# Altium PCB 243-436_Man-Ctrl-ESP32.PcbDoc
Units mm, origin at the board's own origin, x right, y up, seen from the top; angles counter-clockwise.
Board outline 20 x 33 mm, 4 copper layers (Top Layer, Int1 (GND), Int2 (GND), Bottom Layer), stack 1.369 mm thick; 44 components, 39 nets, 171 pads, 80 vias.
Unrouted connection lines stored in the file: 3.
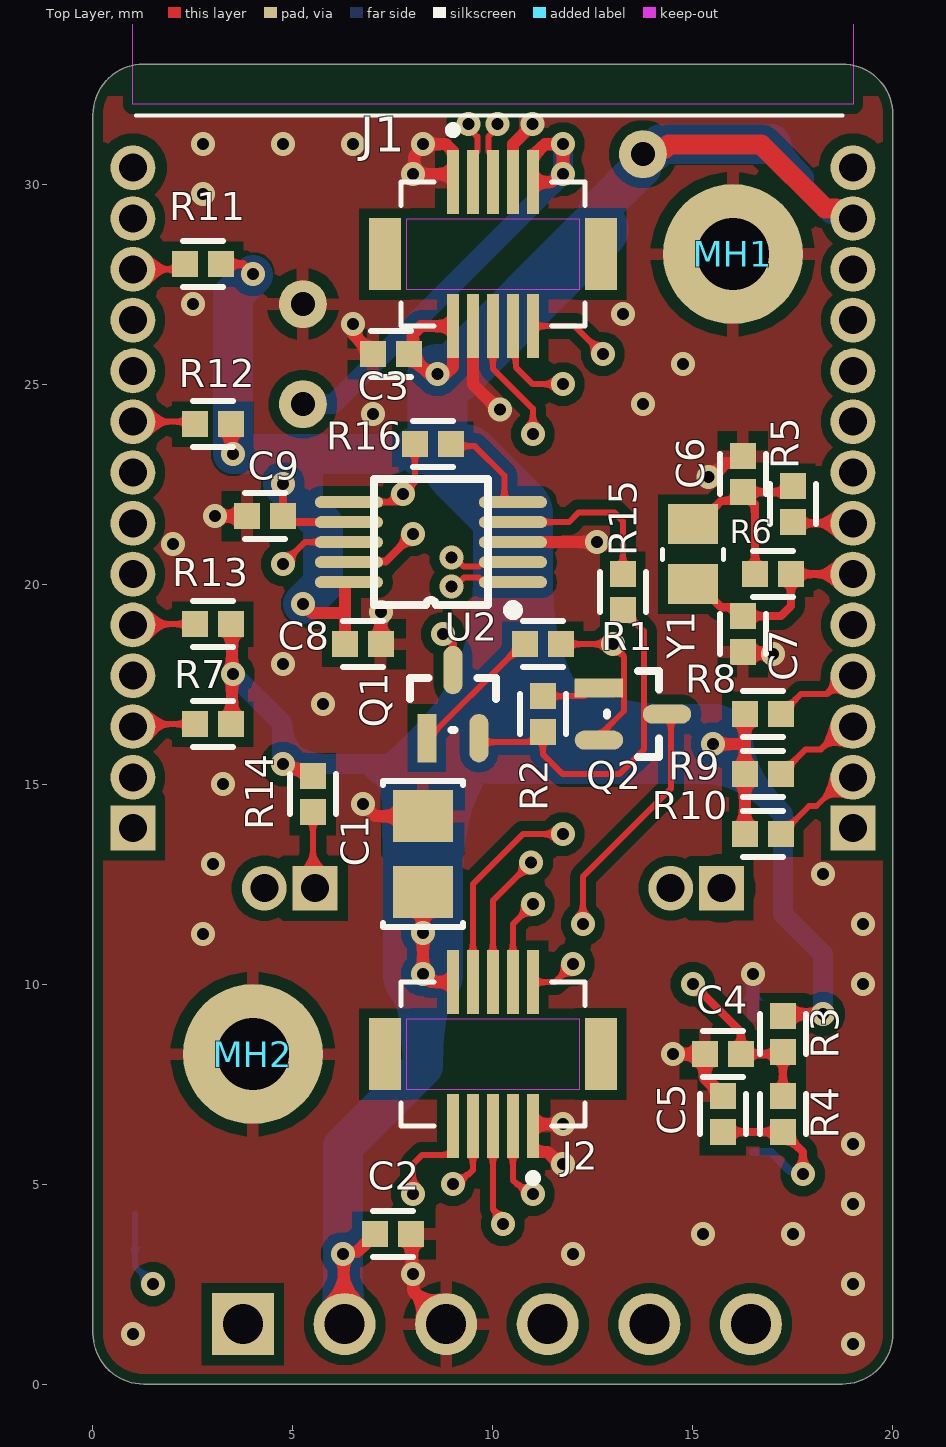
[diagram p0: Top Layer view]
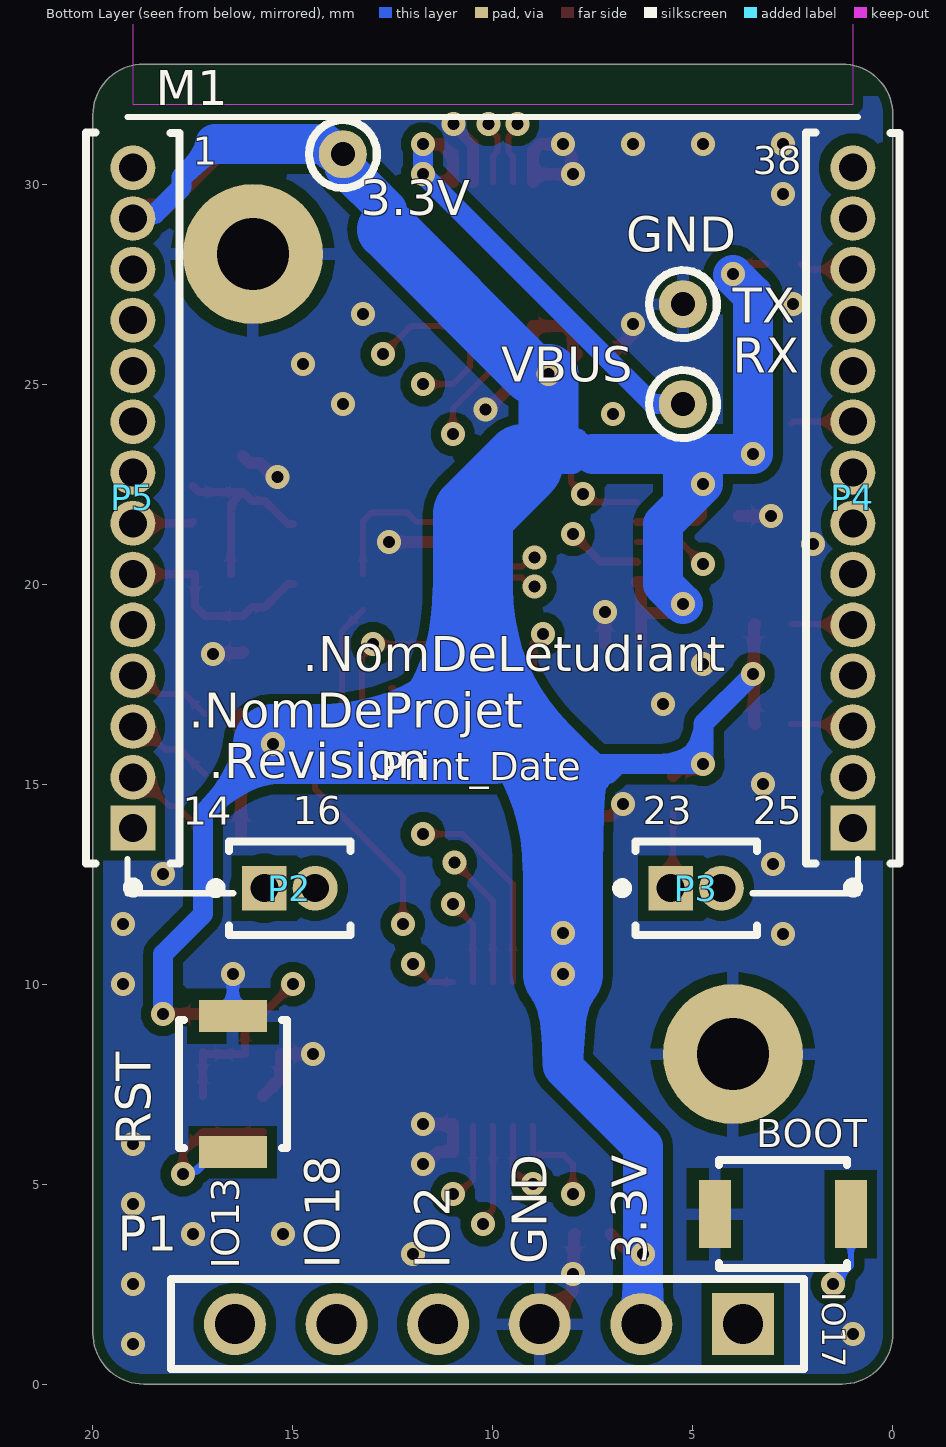
[diagram p1: Bottom Layer view, seen from below]
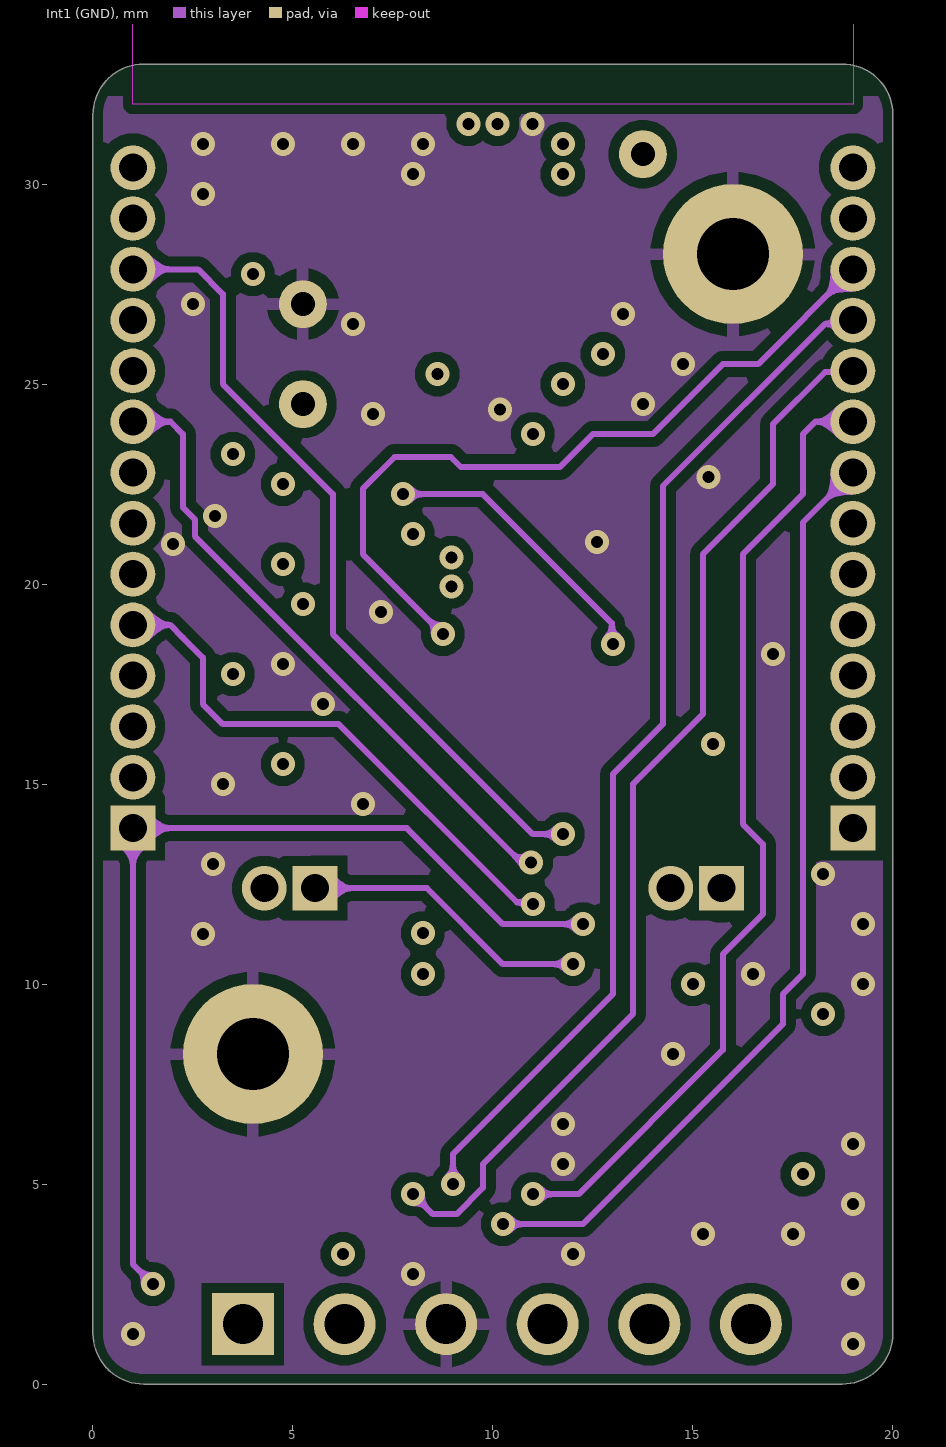
[diagram p2: Int1 (GND)]
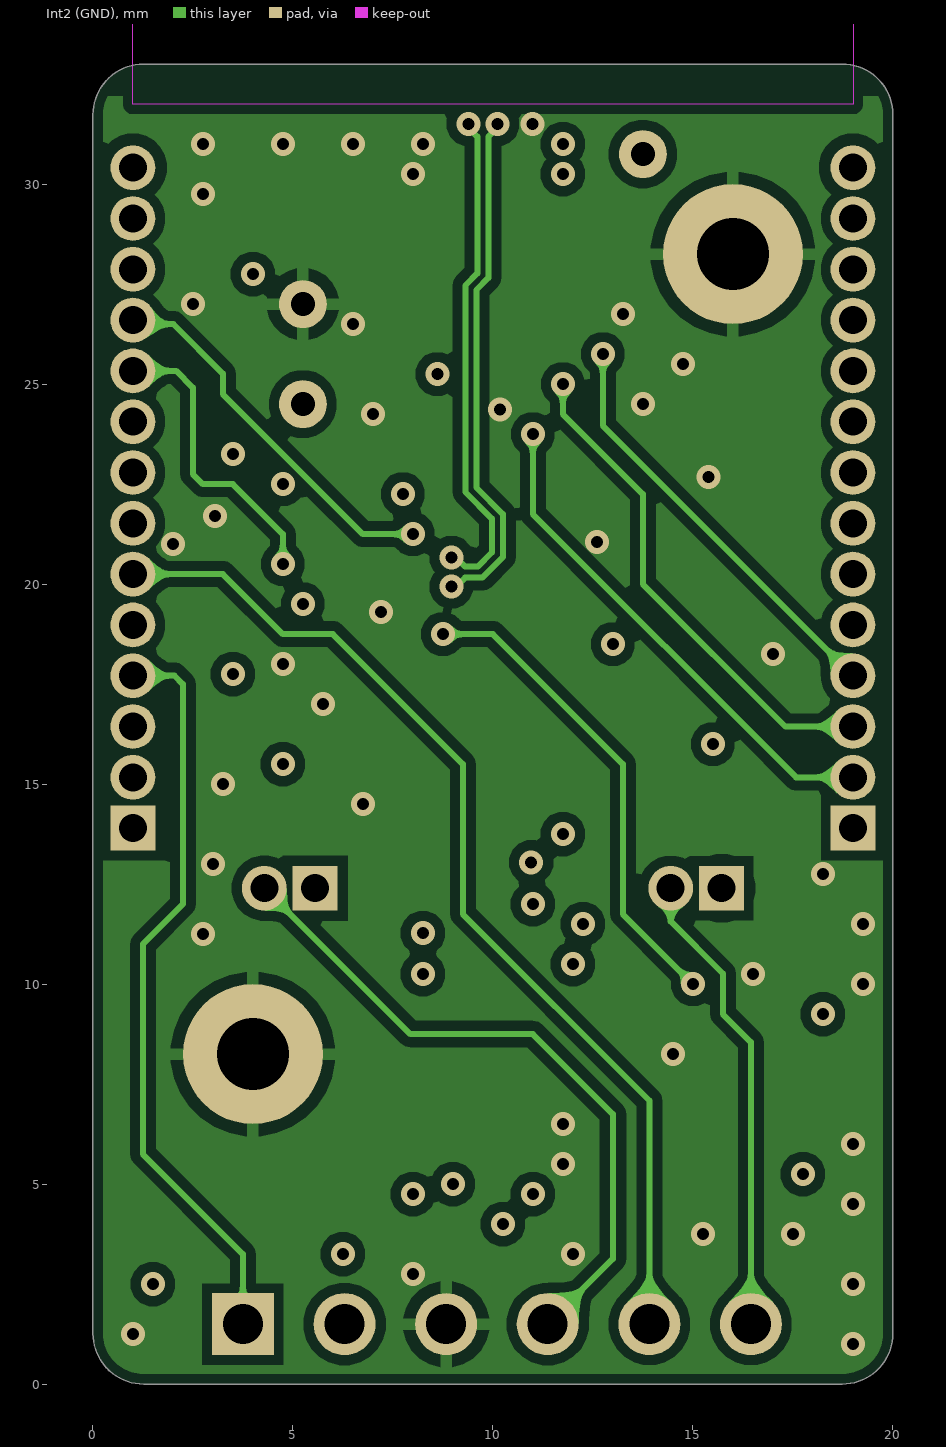
[diagram p3: Int2 (GND)]

## Layer stack, top to bottom
Top Solder: solder mask 0.0254, SM-001, Dk 4
Top Layer: signal copper 0.035
Dielectric 1: prepreg 0.1295, PP-017, Dk 4.3
Dielectric 2: prepreg 0.1295, PP-017, Dk 4.3
Int1 (GND): signal copper 0.035
Dielectric 3: core 0.7112, Core-039, Dk 4.8
Int2 (GND): signal copper 0.035
Dielectric 4: prepreg 0.1295, PP-017, Dk 4.3
Dielectric 5: prepreg 0.1295, PP-017, Dk 4.3
Bottom Layer: signal copper 0.035
Bottom Solder: solder mask 0.0254, SM-001, Dk 4

## Board outline
0,1.27 ccw(c1.27,1.27) 1.27,0 18.73,0 ccw(c18.73,1.27) 20,1.27 20,31.73 ccw(c18.73,31.73) 18.73,33 1.27,33 ccw(c1.27,31.73) 0,31.73

## Design rules (kind name [scope] priority, off if disabled: settings)
BoardOutlineClearance [All] p1: gap=0.25 ignorepadtopadclearanceinfootprint=FALSE
Clearance Clearance_poly [InPoly] p1: gap=0.25 ignorepadtopadclearanceinfootprint=FALSE
Clearance [All] p2: gap=0.125 ignorepadtopadclearanceinfootprint=FALSE
ComponentClearance [All] p1: gap=0.1 collisioncheckmode=3 verticalgap=0.254 showdistances=FALSE
DiffPairsRouting [All] p1: maxlimit=0.2 minlimit=0.125 mostfreqgap=0.125 toplayer_minwidth=0.125 toplayer_maxwidth=0.15 toplayer_prefwidth=0.125 midlayer1_minwidth=0.125 midlayer1_maxwidth=0.15 midlayer1_prefwidth=0.125 midlayer2_minwidth=0.125 midlayer2_maxwidth=0.15 midlayer2_prefwidth=0.125 bottomlayer_minwidth=0.125 bottomlayer_maxwidth=0.15 bottomlayer_prefwidth=0.125 maxuncoupledlength=15
HoleSize [All] p1: absolutevalues=TRUE maxlimit=6.3 minlimit=0.2 maxpercent=80.000 minpercent=20.000
HoleToHoleClearance HoleToHoleClearance_via [IsVia] p1: gap=0.2 allowstackedmicrovias=TRUE
HoleToHoleClearance [All] p2: gap=0.45 allowstackedmicrovias=TRUE
MinimumSolderMaskSliver [All] p1: minsoldermaskwidth=0.1
PlaneClearance [All] p1: clearance=0.5
PlaneConnect [All] p1: pad.planeconnectstyle=Relief pad.reliefexpansion=0.508 pad.reliefentries=4 pad.reliefconductorwidth=0.254 pad.reliefairgap=0.254 via.planeconnectstyle=Direct via.reliefexpansion=0.508 via.reliefentries=4 via.reliefconductorwidth=0.254 via.reliefairgap=0.254
PolygonConnect [All] p1: thpad.connectstyle=Relief thpad.reliefconductorwidth=0.3 thpad.reliefentries=4 thpad.polygonreliefangle="90 Angle" thpad.airgapwidth=0.3 smdpad.connectstyle=Relief smdpad.reliefconductorwidth=0.3 smdpad.reliefentries=4 smdpad.polygonreliefangle="90 Angle" smdpad.airgapwidth=0.3 via.connectstyle=Direct via.reliefconductorwidth=0.254 via.reliefentries=4 via.polygonreliefangle="90 Angle" via.airgapwidth=0.254
RoutingVias [All] p1: holewidth=0.3 width=0.6 viastyle="Through Hole" minholewidth=0.2 minwidth=0.4 maxholewidth=0.8 maxwidth=1.2
SilkToSilkClearance [All] p1: silktosilkclearance=0
SilkToSolderMaskClearance [IsPad] p1: minsilkscreentomaskgap=0 clearancetoexposedcopper=TRUE
SolderMaskExpansion [All] p1: expansion=0.045 istentingtop=FALSE
SupplyNets "Schematic Supply Nets_2" [InNet('V_3V3')] p1: voltage=0.000
SupplyNets "Schematic Supply Nets_4" [InNet('VBUS')] p2: voltage=0.000
SupplyNets "Schematic Supply Nets_1" [InNet('GND')] p3: voltage=0.000
Width [All] p1: maxlimit=5 minlimit=0.125 preferedwidth=0.2
21 further rules are at their usual default settings.

## Classes and differential pairs
component class 243-436_Manette-ESP32: P1 P2 P3 P4 P5 Q1 Q2 R1 R2
component class USB-to-UART: C8 C9 R15 R16 U2
component class Controleur: BOOT C2 C3 C4 C5 C6 C7 M1 R3 R4 R5 R6 R7 RST Y1
component class Interface-Capteurs: 3.3V C1 GND J1 J2 MH1 MH2 R8 R9 R10 R11 R12 R13 R14 VBUS
differential pair UD: +UD_P -UD_N

## Components (designator, comment, footprint, x,y, rotation, side; value= is the part's Value field where it differs from the comment)
3.3V "DNP" TP_TH061 13.75,30.75 r180 bottom
BOOT "HX-B3U-1000P-1.6N" S_B3U-1000P 2.75,4.25 r180 bottom
C1 "CAP CER 10uF 25V X5R 0805" C_2012[0805] 8.25,13.25 r270 top value=10uF
C2 "CAP CER 4.7uF 6.3V X5R 0402" C_1005[0402] 7.5,3.75 r180 top value=4.7uF
C3 "CAP CER 100nF 50V 0402" C_1005[0402] 7.45,25.75 r0 top value=100nF
C4 "DNP" C_1005[0402] 15.75,8.25 r0 top value=100nF
C5 "CAP CER 100nF 50V 0402" C_1005[0402] 15.75,6.75 r270 top value=100nF
C6 "DNP" C_1005[0402] 16.25,22.75 r270 top value=10pF
C7 "DNP" C_1005[0402] 16.25,18.75 r90 top value=10pF
C8 "CAP CER 100nF 50V 0402" C_1005[0402] 6.75,18.5 r180 top value=100nF
C9 "CAP CER 100nF 50V 0402" C_1005[0402] 4.3,21.7 r0 top value=100nF
GND "DNP" TP_TH061 5.25,27 r90 bottom
J1 "HC-PBB12NB(3.0)-10DS-0.5V-03" J_CONN_HDR_2ROW_10POS_0MM5 10,28.25 r180 top locked value=Conn_02x05
J2 "HC-PBB12NB(3.0)-10DS-0.5V-03" J_CONN_HDR_2ROW_10POS_0MM5 10,8.25 r0 top locked value=Conn_02x05
M1 "ESP32-WROOM-32E-N4" ESP32­WROOM­32E_EXP-TH 10,25.15 r180 bottom locked
MH1 "MP_1.6MM" MP_M-Hole_M1.6 16,28.25 r0 top locked
MH2 "MP_1.6MM" MP_M-Hole_M1.6 4,8.25 r0 top locked
P1 "DNP" P_CONN_HDR_1ROW_6POS_100MIL 10.1,1.5 r0 bottom locked
P2 "P_CONN-SKT-2POS-50MIL" P_CONN_SKT_1ROW_2POS_50MIL 15.08,12.399 r180 bottom
P3 "P_CONN-SKT-2POS-50MIL" P_CONN_SKT_1ROW_2POS_50MIL 4.92,12.399 r180 bottom
P4 "P_CONN-SKT-14POS-50MIL" P_CONN_SKT_1ROW_14POS_50MIL 0.999,22.155 r90 bottom
P5 "P_CONN-SKT-14POS-50MIL" P_CONN_SKT_1ROW_14POS_50MIL 19,22.155 r90 bottom
Q1 "BC847BW-7-F" SOT323-IPC_B 9,17 r90 top
Q2 "BC847BW-7-F" SOT323-IPC_B 13.5,16.75 r0 top
R1 "Res 10k 1% 0402" R_1005[0402] 11.25,18.5 r180 top value=10k
R2 "Res 10k 1% 0402" R_1005[0402] 11.25,16.75 r90 top value=10k
R3 "DNP" R_1005[0402] 17.25,8.75 r90 top value=10k
R4 "Res 0R 0402" R_1005[0402] 17.25,6.75 r90 top value=0R
R5 "DNP" R_1005[0402] 17.5,22 r270 top value=0R
R6 "DNP" R_1005[0402] 17,20.25 r0 top value=5M6
R7 "Res 10k 1% 0402" R_1005[0402] 3,16.5 r0 top value=10k
R8 "Res 10k 1% 0402" R_1005[0402] 16.75,16.75 r180 top value=10k
R9 "Res 10k 1% 0402" R_1005[0402] 16.75,15.251 r180 top value=10k
R10 "Res 10k 1% 0402" R_1005[0402] 16.75,13.75 r180 top value=10k
R11 "Res 4k7 1% 0402" R_1005[0402] 2.75,28 r0 top value=4k7
R12 "Res 4k7 1% 0402" R_1005[0402] 3,24 r0 top value=4k7
R13 "Res 10k 1% 0402" R_1005[0402] 3,19 r0 top value=10k
R14 "Res 10k 1% 0402" R_1005[0402] 5.5,14.75 r90 top value=10k
R15 "Res 1k 1% 0402" R_1005[0402] 13.25,19.8 r90 top value=1k
R16 "Res 4k7 1% 0402" R_1005[0402] 8.5,23.5 r180 top value=4k7
RST "HX-B3U-1000P-1.6N" S_B3U-1000P 16.5,7.5 r270 bottom
U2 "CH340X" U_MSOP50P300X500-10(RM-10)_WO-TP 8.45,21.05 r90 top
VBUS "DNP" TP_TH061 5.25,24.5 r90 bottom
Y1 "DNP" Y_2012_2P 15,21.5 r270 top value=32.768kHz

## Footprints (in the part's own frame and the unit in brackets; to place one, negate y for a bottom-side part, rotate by r counter-clockwise, add the part's x,y. Pads: shape width x height; smd on the part's side, far side on the other; paste and mask are expansions set on the pad)
C_1005[0402] [mm] "Capacitor MLCC; Body 1.1 x 0.5 mm (LxW typ)"
  rect 0.65x0.65 smd: 1(-0.45,0) 2(0.45,0)
  silkscreen extent -0.5,-0.57 0.5,0.57, body extent -0.51,-0.25 0.51,0.25, height 0.51
C_2012[0805] [mm] "Capacitor MLCC; Body 2.0 x 1.3 mm (LxW typ)"
  rect 1.3x1.5 smd: 1(-0.95,0) 2(0.95,0)
  silkscreen extent -1.83,-1 1.83,1, body extent -1,-0.62 1,0.63, height 0.78
ESP32­WROOM­32E_EXP-TH [mm]
  round 1.12 hole 0.7 paste-2539.97 mask+0: 1(-9,5.26) 2(-9,3.99) 3(-9,2.72) 4(-9,1.45) 5(-9,0.18) 6(-9,-1.09) 7(-9,-2.36) 8(-9,-3.63) 9(-9,-4.9) 10(-9,-6.17) 11(-9,-7.44) 12(-9,-8.71) 13(-9,-9.98) 14(-9,-11.25) 15(-5.715,-12.751) 16(-4.445,-12.751) 23(4.445,-12.751) 24(5.715,-12.751) 25(9,-11.25) 26(9,-9.98) 27(9,-8.71) 28(9,-7.44) 29(9,-6.17) 30(9,-4.9) 31(9,-3.63) 32(9,-2.36) 33(9,-1.09) 34(9,0.18) 35(9,1.45) 36(9,2.72) 37(9,3.99) 38(9,5.26)
  Keep-Out Layer region: 9.004,6.85 9.004,12.751 -9.004,12.751 -9.004,6.85
  silkscreen extent -9.13,-12.88 9.13,6.53, body extent -10.07,-12.75 10.07,12.77, height 10.15
J_CONN_HDR_2ROW_10POS_0MM5 [mm] "CONN HIROSE DF12NB"
  rect 0.8x1.8 smd: 0(-2.7,0) 0(2.7,0)
  rect 0.3x1.6 smd paste-2 mask+0.05: 1(1,-1.8) 2(1,1.8) 3(0.5,-1.8) 4(0.5,1.8) 5(0,-1.8) 6(0,1.8) 7(-0.5,-1.8) 8(-0.5,1.8) 9(-1,-1.8) 10(-1,1.8)
  Top Layer keep-out region: 2.159,-0.889 -2.159,-0.889 -2.159,0.889 2.159,0.889
  silkscreen extent -2.3,-3.2 2.3,1.8, body extent -2.8,-2.29 2.8,2.31, height 2.2
MP_M-Hole_M1.6 [mm] "Monting Hole M1.6"
  round 3.5 hole 1.8 paste-2539.97: 1(0,0)
P_CONN_HDR_1ROW_6POS_100MIL [mm] "Header, 1x6 Pins, 2.54mm Pitch"
  rect 1.55x1.55 hole 1: 1(-6.35,0)
  round 1.55 hole 1: 2(-3.81,0) 3(-1.27,0) 4(1.27,0) 5(3.81,0) 6(6.35,0)
  silkscreen extent -7.87,-1.12 7.95,1.12
P_CONN_SKT_1ROW_2POS_50MIL [mm]
  rect 1.12x1.12 hole 0.7 paste-2539.97 mask+0: 1(-0.635,0)
  round 1.12 hole 0.7 paste-2539.97 mask+0: 2(0.635,0)
  silkscreen extent -1.97,-1.17 1.52,1.17, body extent -1.38,-1.27 1.38,1.27, height 4.57
P_CONN_SKT_1ROW_14POS_50MIL [mm]
  rect 1.12x1.12 hole 0.7 paste-2539.97 mask+0: 1(-8.255,0)
  round 1.12 hole 0.7 paste-2539.97 mask+0: 2(-6.985,0) 3(-5.715,0) 4(-4.445,0) 5(-3.175,0) 6(-1.905,0) 7(-0.635,0) 8(0.635,0) 9(1.905,0) 10(3.175,0) 11(4.445,0) 12(5.715,0) 13(6.985,0) 14(8.255,0)
  silkscreen extent -9.86,-1.17 9.14,1.17, body extent -9,-1.27 9,1.27, height 4.57
R_1005[0402] [mm] "Chip Resistor; Body 1.1 x 0.5 mm (LxW typ)"
  rect 0.65x0.65 smd: 1(-0.45,0) 2(0.45,0)
  silkscreen extent -0.5,-0.57 0.5,0.58, body extent -0.5,-0.25 0.5,0.26, height 0.36
S_B3U-1000P [mm]
  rect 0.8x1.7 smd paste+0 mask+0: 1(-1.7,0) 2(1.7,0)
  silkscreen extent -1.6,-1.35 1.6,1.35, body extent -2,-1.26 2,1.24, height 1.6
SOT323-IPC_B [mil]
  rect 47.65x18.73 smd paste+0 mask+0: 1(-33.5,25.59)
  rrect100% 47.65x18.73 smd paste+0 mask+0: 2(-33.5,-25.59) 3(33.5,0)
  silkscreen extent -26,-42 26,42, body extent -67,-52 67,52, height 10
TP_TH061 [mm] "Test point hole 0.61mm diameter (AWG28)"
  round 1.2 hole 0.6: 1(0,0)
  silkscreen extent -0.85,-0.85 0.85,0.85
U_MSOP50P300X500-10(RM-10)_WO-TP [mm] "Shrink Small Outline; 10 Leads; Body Width 3 mm; Pitch 0.5 mm"
  oval 0.3x1.7 smd mask+0.05: 1(-1,-2.05) 2(-0.5,-2.05) 3(0,-2.05) 4(0.5,-2.05) 5(1,-2.05) 6(1,2.05) 7(0.5,2.05) 8(0,2.05) 9(-0.5,2.05) 10(-1,2.05)
  silkscreen extent -1.82,-2.18 1.58,1.43, body extent -1.6,-2.58 1.6,2.57, height 1.09
Y_2012_2P [mm]
  rect 1x1.25 smd: 1(0,0) 2(1.5,0)
  silkscreen extent 0.63,-0.76 0.89,0.76, body extent -0.33,-0.76 1.88,0.76, height 0.75

## Part data
3.3V GND VBUS: library part TP_TH0.61mm(AWG28), "Pad TH 0.61mm diameter (AWG28)", Supplier Part Number 1=N/A, Manufacturer Part Number 1=DNP, Supplier 1=N/A
BOOT RST: library part SW_B3U-1000P, "SWITCH TACTILE SPST-NO 0.05A 12V", Manufacturer 1=hanxia, Manufacturer 2=Omron, Manufacturer Part Number 2=B3U-1000P, Supplier Part Number 1=C49234121, Manufacturer Part Number 1=HX-B3U-1000P-1.6N, Mounting Technology=SMT, Supplier 1=LCSC
C1: library part CAP020, "Capacitor type 1", Dielectric=X5R, Manufacturer 1=Samsung, Manufacturer Part Number 1=CL21A106KAYNNNE, Rated Voltage=25V, Supplier Part Number 1=C15850, Tolerance=10%, LibRef=CAP020, Mounting Technology=SMT, Supplier 1=LCSC
C2: library part CAP016, "Capacitor type 1", Dielectric=X5R, Manufacturer 1=Samsung, Manufacturer Part Number 1=CL05A475MQ5NRNC, Rated Voltage=6.3V, Supplier Part Number 1=C307423, Tolerance=20%, LibRef=CAP016, Mounting Technology=SMT, Supplier 1=LCSC
C3 C4 C5 C8 C9: library part CAP001, "Capacitor type 1", Dielectric=X7R, Manufacturer 1=Yageo, Manufacturer Part Number 1=CC0402KRX7R9BB104, Rated Voltage=50V, Supplier Part Number 1=C131394, Tolerance=10%, Code CEGEP=KCOND01SM, LibRef=CAP001, Mounting Technology=SMT, Supplier 1=LCSC
C6 C7: library part CAP014, "Capacitor type 1", Dielectric=C0G, Manufacturer 1=Yageo, Manufacturer Part Number 1=CC0402JRNPO9BN100, Rated Voltage=50V, Supplier Part Number 1=C106199, Tolerance=5%, LibRef=CAP014, Mounting Technology=SMT, Supplier 1=LCSC
J1 J2: library part J_Conn_02x05, "Connector Receptacle 2x5pos, 0,5mm", Manufacturer 1=Hirose, Manufacturer 2=HCTL, Manufacturer Part Number 1=DF12NB(3.0)-10DS-0.5V(51), Supplier Part Number 1=C2904118, Code CEGEP=KPTSO011, Manufacturer Part Number 2=HC-PBB12NB(3.0)-10DS-0.5V-03, Mounting Technology=SMT, Supplier 1=LCSC, Supplier 2=Digikey, Supplier Part Number 2=26-DF12NB(3.0)-10DS-0.5V(51)CT-ND
M1: library part M_ESP32-WROOM-32E-N4-TH, "ESP32 Module SMT Castellated", Manufacturer 1="Espressif Systems", Supplier Part Number 1=C701341, Manufacturer Part Number 1=ESP32-WROOM-32E-N4, Mounting Technology=TH, Supplier 1=LCSC
MH1 MH2: "Mounting Hole 1.6mm", Mounting Technology=Through-hole
P1: library part P_Conn_01x06_100mils, "Conn. Header 6pos 100mils", Mounting Technology=Through-hole
P2 P3: "CONN SOCKET 2POS 1.27mm SINGLE ROW TH", Manufacturer 1=Megastar, Manufacturer 2=Sullins, Manufacturer Part Number 1=ZX-PM1.27-1-2PU-Z, Supplier Part Number 1=C41370629, Mounting Technology=Through-hole, Supplier 1=LCSC
P4 P5: "CONN SOCKET 14POS 1.27mm SINGLE ROW TH", Manufacturer 1=Megastar, Manufacturer 2=Sullins, Manufacturer Part Number 1=ZX-PM1.27-1-14PU-Z, Supplier Part Number 1=C41370641, Mounting Technology=Through-hole, Supplier 1=LCSC
Q1 Q2: library part Q_BC847BW, "TRANS NPN 45V 0.1A SC70-3", Manufacturer 1="Diodes Inc", Manufacturer Part Number 1=BC847BW-7-F
R1 R2 R3 R7 R8 R9 R10 R13 R14: library part RES003, "Resistor type 1", Manufacturer 1=Yageo, Manufacturer Part Number 1=RC0402FR-0710KL, Max Working Voltage=50V, Supplier Part Number 1=C60490, Tolerance=1%, LibRef=RES003, Mounting Technology=SMT, Puissance=1/16W, Supplier 1=LCSC
R4 R5: library part RES005, "Resistor type 1", Manufacturer 1=Yageo, Manufacturer Part Number 1=RC0402JR-070RL, Max Working Voltage=50V, Supplier Part Number 1=C60485, Code CEGEP=RES0SM, LibRef=RES005, Mounting Technology=SMT, Supplier 1=LCSC
R6: library part RES017, "Resistor type 1", Manufacturer 1=Yageo, Manufacturer Part Number 1=RC0402FR-075M6L, Max Working Voltage=50V, Supplier Part Number 1=C477755, Tolerance=1%, LibRef=RES017, Mounting Technology=SMT, Puissance=1/16W, Supplier 1=LCSC
R11 R12 R16: library part RES007, "Resistor type 1", Manufacturer 1=Yageo, Manufacturer Part Number 1=RC0402FR-074K7L, Max Working Voltage=50V, Supplier Part Number 1=C105871, Tolerance=1%, Code CEGEP=RES4.7KSM, LibRef=RES007, Mounting Technology=SMT, Puissance=1/16W, Supplier 1=LCSC
R15: library part RES006, "Resistor type 1", Manufacturer 1=Yageo, Manufacturer Part Number 1=RC0402FR-071kL, Max Working Voltage=50V, Supplier Part Number 1=C106235, Tolerance=1%, Code CEGEP=RES1KSM, LibRef=RES006, Mounting Technology=SMT, Puissance=1/16W, Supplier 1=LCSC
U2: library part U_CH340X, "IC USB to Serial Port", Manufacturer 1="WCH(Jiangsu Qin Heng)", Supplier Part Number 1=C3035748, Manufacturer Part Number 1=CH340X, Mounting Technology=SMT, Supplier 1=LCSC
Y1: library part Y_NX2012_32K768, "Crystal NDK 2.0x1.2mm  32.768 KHz", Manufacturer 1=NDK, Manufacturer 2=Epson, Manufacturer Part Number 1="NX2012SA 32.768KHz  EXS00A-MU00389", Manufacturer Part Number 2=X1A0000610008, Supplier Part Number 1=C96341, Mounting Technology=SMT, Supplier 1=LCSC

## Via types
v1: diameter 0.6, hole 0.3, Top Layer to Bottom Layer, tented both sides, 80 vias

## Nets (pads, with @x,y where several pads share a name; then routed paths per layer and width w, separated by ;. In a path a pad name is that pad's centre, name@x,y a point inside that pad or via, vN(x,y) a via of type N, cw(c..) or ccw(c..) an arc to the next point about the centre after c; other vN are vias at no path point)
BOOT: BOOT.2 M1.25 Q2.3 | length 31.9
  Top Layer w0.15: v1(12.25,11.5) 12.25,12.686 14.45,14.886 Q2.3@14.45,16.75
  Int1 (GND) w0.15: v1(1.5,2.5) 0.999,3.001 M1.25 7.85,13.9 10.25,11.5 v1(12.25,11.5)
  Bottom Layer w0.15: BOOT.2 1.05,2.95 v1(1.5,2.5)
CTS: R16.1 U2.5 | length 2.5
  Top Layer w0.15: R16.1 8.999,23.451 9.549,23.451 10.288,22.712 10.288,22.119 10.358,22.05 U2.5
DTR_B: Q2.2 R1.1 R16.2 U2.6 | length 14.1
  Top Layer w0.15: U2.6 7.55,22.05 v1(7.75,22.25) 8.05,22.55 R16.2 ; R1.1 v1(13,18.5) 13,18.464 13.277,18.187 13.277,16.827 12.775,16.325 12.775,16.26 12.615,16.1 Q2.2@12.55,16.1
  Int1 (GND) w0.15: v1(7.75,22.25) 9.75,22.25 12.975,19.025 12.975,18.525 v1(13,18.5)
EN: C4.2 M1.3 Q1.3 R3.1 R4.2 | length 36.6
  Top Layer w0.2: v1(8.75,18.75) 9,18.5 Q1.3@9,17.95 ; v1(15,10) 16.2,8.8 C4.2 17.2,8.25 R3.1 R4.2
  Int1 (GND) w0.15: v1(8.75,18.75) 6.75,20.75 6.75,22.385 7.542,23.177 8.948,23.177 9.201,22.924 11.674,22.924 12.5,23.75 14,23.75 15.75,25.5 16.63,25.5 M1.3
  Int2 (GND) w0.15: v1(8.75,18.75) 10,18.75 13.25,15.5 13.25,11.75 v1(15,10)
GND: BOOT.1 C1.1 C2.1 C3.1 C4.1 C5.1 C6.1 C7.1 C8.1 C9.1 GND.1 J1.1 J1.4 J1.7 J2.1 M1.1 M1.15 M1.38 MH1.1 MH2.1 P1.3 RST.1 U2.3 | length 23.6
  Top Layer w0.3: v1(3.05,21.7) C9.1 ; v1(6.5,26.5) 6.5,26.25 C3.1 ; v1(6.75,14.5) 7.05,14.2 C1.1 ; C8.1 v1(7.2,19.3) ; C2.1 7.975,3.725 7.975,2.775 v1(8,2.75) 8.012,2.738 8.012,2.318 P1.3 ; J1.1 J1.1@9,30.25 ; J1.4 9.5,25 10.134,24.366 v1(10.18,24.366) ; U2.3 12.596,21.05 v1(12.6,21.054) ; J1.7 10.5,31 v1@10.992,31.492 ; v1(11.75,5.5) 11.669,5.5 11.369,5.8 11,5.8 J2.1 11,6.5 v1(11.75,6.5) ; v1(14.5,8.25) C4.1 15.3,7.65 C5.1 ; v1(15.391,22.679) 15.472,22.679 15.818,23.025 16.075,23.025 C6.1 ; C7.1 16.275,18.275 16.975,18.275 v1(17,18.25) ; J1.1@9,30.25 v1(8,30.25) 8.036,30.286 8.036,30.705 8.25,30.919 v1(8.25,31) 8.824,31 9,30.824 J1.1@9,30.25
  Bottom Layer w0.3: RST.1 v1(16.5,10.25)
  other v1: 19,1 1,1.25 19,2.5 12,3.25 15.25,3.75 17.5,3.75 19,4.5 19,6 19.25,10 2.75,11.25 19.25,11.5 18.25,12.75 3,13 3.25,15 5.75,17 4.75,18 2,21 7,24.25 13.75,24.5 14.75,25.5 13.25,26.75 2.5,27 2.75,29.75 2.75,31 4.75,31 6.5,31 10.984,31.501
IO2: M1.24 P1.4 | length 17
  Int2 (GND) w0.15: M1.24 7.934,8.75 11,8.75 13,6.75 13,3.13 P1.4
IO4: M1.26
IO5: J2.4 M1.29 R13.1 | length 17.3
  Top Layer w0.15: M1.29 1.019,19 R13.1 ; J2.4 10.5,11.5 v1(11,12)
  Int1 (GND) w0.15: M1.29 1.932,18.98 2.25,18.662 2.75,18.162 2.75,17 3.25,16.5 6.144,16.5 10.601,12.043 10.953,12.043 v1@10.996,12
IO13: M1.16 P1.6 | length 11.7
  Int2 (GND) w0.15: M1.16 14.445,11.571 15.75,10.266 15.75,9.25 16.45,8.55 P1.6
IO14: J1.6 M1.13 R10.1 | length 18.2
  Top Layer w0.15: J1.6 10,25.388 11,24.388 v1(11,23.75) ; R10.1 17.903,14.453 18.088,14.453 18.805,15.17 M1.13
  Int2 (GND) w0.15: v1(11,23.75) 11,21.75 17.58,15.17 M1.13
IO15: J2.2 M1.23 R14.1 | length 10.3
  Top Layer w0.15: R14.1 5.5,12.454 M1.23 ; J2.2 11.55,10.05 v1(12,10.5)
  Int1 (GND) w0.15: M1.23 8.351,12.399 10.25,10.5 v1(12,10.5)
IO16: M1.27 R7.1 | length 1.6
  Top Layer w0.15: M1.27 1.059,16.5 R7.1
IO17: M1.28 P1.1 | length 18.8
  Int2 (GND) w0.15: M1.28 2.04,17.71 2.25,17.5 2.25,12 1.25,11 1.25,5.75 3.75,3.25 P1.1
IO18: M1.30 P1.5 | length 26.1
  Int2 (GND) w0.15: M1.30 3.25,20.25 4.75,18.75 6,18.75 9.25,15.5 9.25,11.75 13.91,7.09 P1.5
IO19: M1.31
IO21: J2.6 M1.33 R12.1 | length 20.8
  Top Layer w0.15: M1.33 2.49,24.06 R12.1 ; J2.6 10,12.086 v1(10.957,13.043)
  Int1 (GND) w0.15: M1.33 1.94,24.06 2.25,23.75 2.25,21.921 2.55,21.621 2.55,21.2 10.664,13.086 10.914,13.086 v1(10.957,13.043)
IO22: J2.8 M1.36 R11.1 | length 26.5
  Top Layer w0.15: M1.36 2.17,27.87 R11.1 ; J2.8 9.5,12.5 10.75,13.75 v1(11.75,13.75)
  Int1 (GND) w0.15: M1.36 2.63,27.87 3.25,27.25 3.25,25 6,22.25 6,18.75 11,13.75 v1(11.75,13.75)
IO23: M1.37
IO25: M1.10
IO26: J1.10 M1.11 R8.1 | length 14.9
  Top Layer w0.15: J1.10 12.05,26.45 v1(12.75,25.75) ; R8.1 17.7,17.25 18.35,17.25 18.81,17.71 M1.11
  Int2 (GND) w0.15: v1(12.75,25.75) 12.75,23.96 M1.11
IO27: J1.8 M1.12 R9.1 | length 17.3
  Top Layer w0.15: J1.8 10.575,26.375 10.575,25.425 11,25 v1(11.75,25) ; R9.1 17.45,15.5 17.818,15.869 18.199,15.869 18.77,16.44 M1.12
  Top Layer w0.2: M1.12@18.94,16.5 M1.12
  Int2 (GND) w0.15: v1(11.75,25) 11.75,24.25 13.75,22.25 13.75,20 17.31,16.44 M1.12
IO34: J2.3 M1.6 | length 26.3
  Top Layer w0.15: J2.3 10.5,5.099 10.606,4.992 10.636,4.992 10.878,4.75 v1(11,4.75)
  Int1 (GND) w0.15: v1(11,4.75) 12.141,4.75 15.75,8.359 15.75,10.75 16.75,11.75 16.75,13.5 16.25,14 16.25,20.75 17.75,22.25 17.75,23.75 18.06,24.06 M1.6
IO35: J2.5 M1.7 | length 26.1
  Top Layer w0.15: J2.5 10,4.372 10.25,4.122 v1(10.25,4)
  Int1 (GND) w0.15: v1(10.25,4) 12.25,4 17.25,9 17.25,9.75 17.75,10.25 17.75,21.54 M1.7
IO36: J2.7 M1.4 | length 27.8
  Top Layer w0.15: v1(9,5) 9.122,5 9.364,5.242 9.394,5.242 9.5,5.349 J2.7
  Int1 (GND) w0.15: v1(9,5) 9,5.75 13,9.75 13,15.25 14.25,16.5 14.25,22.452 18.303,26.505 18.905,26.505 M1.4
IO39: J2.9 M1.5 | length 29.4
  Top Layer w0.15: v1(8,4.75) 8,5.5 8.225,5.725 8.925,5.725 9,5.8 J2.9
  Int1 (GND) w0.15: v1(8,4.75) 8.5,4.25 9.095,4.25 9.75,4.905 9.75,5.5 13.5,9.25 13.5,15 15.25,16.75 15.25,20.75 17,22.5 17,24 18.303,25.303 18.973,25.303 M1.5
NetC5_2: C5.2 R4.1 RST.2 | length 4.2
  Top Layer w0.2: C5.2 R4.1 17.75,5.8 v1(17.75,5.25)
  Bottom Layer w0.2: RST.2 16.95,5.8 17.423,5.327 17.673,5.327 v1(17.75,5.25)
NetC6_2: C6.2 R5.1 R6.1 Y1.1 | length 5.1
  Top Layer w0.2: Y1.1 15.125,21.5 15.7,22.075 16.025,22.075 C6.2 ; R6.1 16.55,22 C6.2 ; R5.1 17.35,22.3 C6.2
NetC7_2: C7.2 M1.9 R6.2 Y1.2 | length 5.2
  Top Layer w0.2: Y1.2 15.125,20 15.7,19.425 16.025,19.425 C7.2 17.2,19.2 17.45,19.45 R6.2 M1.9
NetM1_8: M1.8 R5.2 | length 1.5
  Top Layer w0.2: R5.2 17.53,21.52 M1.8
NetQ1_1: Q1.1 R1.2 | length 3.5
  Top Layer w0.15: Q1.1@8.35,16.05 8.35,16.115 10.485,18.25 10.55,18.25 R1.2
NetQ2_1: Q2.1 R2.2 | length 1.4
  Top Layer w0.15: R2.2 12.285,17.2 12.485,17.4 Q2.1@12.55,17.4
RTS: R15.2 U2.4 | length 4.3
  Top Layer w0.15: U2.4 11.902,21.55 12.137,21.785 13.041,21.785 13.25,21.576 R15.2
RTS_B: Q1.2 R2.1 R15.1 | length 8.9
  Top Layer w0.15: Q1.2@9.65,16.05 11,16.05 R2.1 11.25,15.75 11.75,15.25 13.162,15.25 13.775,15.863 13.775,18.825 R15.1
RXD: M1.34 U2.8 | length 9.3
  Top Layer w0.15: v1(4.75,20.5) 5.3,21.05 U2.8
  Int2 (GND) w0.15: M1.34 2.082,25.33 2.5,24.912 2.5,22.75 2.75,22.5 3.5,22.5 4.75,21.25 v1(4.75,20.5)
TXD: M1.35 U2.9 | length 11.4
  Top Layer w0.2: U2.9 6.419,20.569 7.319,20.569 v1(8,21.25)
  Int2 (GND) w0.15: M1.35 1.099,26.5 2.013,26.5 3.25,25.263 3.25,24.75 6.75,21.25 v1(8,21.25)
UD_N: J1.3 U2.2 | length 15.7
  Top Layer w0.15: v1(8.96,20.662) 9.048,20.662 9.273,20.437 9.399,20.437 9.647,20.437 9.76,20.55 U2.2 ; v1(9.387,31.5) 9.387,31.412 9.612,31.187 9.612,30.812 9.5,30.7 J1.3
  Int2 (GND) w0.15: v1(8.96,20.662) 9.082,20.662 9.307,20.437 9.622,20.437 9.975,20.79 9.975,21.636 9.313,22.298 9.313,27.469 9.612,27.769 9.612,31.187 9.387,31.412 v1(9.387,31.5)
UD_P: J1.5 U2.1 | length 16.2
  Top Layer w0.15: v1(8.96,19.937) 9.048,19.937 9.273,20.162 9.513,20.162 9.647,20.162 9.76,20.05 U2.1 ; J1.5 10,30.7 9.887,30.812 9.887,31.187 10.112,31.412 v1(10.112,31.5)
  Int2 (GND) w0.15: v1(8.96,19.937) 9.082,19.937 9.306,20.162 9.736,20.162 10.25,20.676 10.25,21.75 9.588,22.412 9.588,27.355 9.887,27.655 9.887,31.187 10.112,31.412 v1(10.112,31.5)
V_3V3: 3.3V.1 C1.2 C2.2 C3.2 C8.2 C9.2 J1.2 J2.10 M1.2 P1.2 R3.2 R7.2 R8.2 R9.2 R10.2 R11.2 R12.2 R13.2 R14.2 U2.7 U2.10 | length 113.9
  Top Layer w0.2: R11.2 3.75,28 v1(4,27.75) ; v1(4.75,22.5) C9.2 4.9,21.55 U2.7
  Top Layer w0.3: R7.2 3.475,16.525 3.475,17.725 v1(3.5,17.75) 3.475,17.775 3.475,18.975 R13.2 ; R12.2 3.45,23.3 v1(3.5,23.25) ; v1(4.75,15.5) 4.875,15.375 5.325,15.375 R14.2 ; v1(5.25,19.5) 5.475,19.275 6.3,19.275 ; P1.2 6.27,1.52 6.27,3.23 v1(6.25,3.25) 6.307,3.307 6.607,3.307 C2.2 ; C8.2 6.3,19.275 ; U2.10 6.3,20.05 6.3,19.275 ; C1.2 v1(8.25,11.275) v1(8.25,10.25) 8.45,10.05 J2.10 ; v1(15.5,16) 16.25,16 16.3,15.95 R10.2 ; 16.3,16 R8.2 ; R3.2 17.3,9.25 v1(18.25,9.25) ; C3.2 8,25.85 8,26.25 8.2,26.45 J1.2 9,25.426 8.824,25.25 v1(8.612,25.25) 8.4,25.25 C3.2
  Top Layer w0.5: 3.3V.1 13.884,30.884 14.292,30.884 14.393,30.985 16.71,30.985 18.3,29.396 18.576,29.396 18.832,29.14 M1.2
  Bottom Layer w0.5: v1(3.5,17.75) 4.731,16.519 4.731,16.019 ; v1@3.5,23.223 v1(3.5,23.25) ; v1@4,27.723 v1(4,27.75) ; P1.2 P1.2@6.356,1.566 ; 8.25,15.25 7.125,15.25 6.875,15.5 ; 8.25,15.5 7.125,15.5 6.875,15.5 ; 8.612,23.25 7.75,23.25 ; 8.612,23.638 7.888,23.638 7.5,23.25 7.75,23.25 ; 9.25,23 8,23 7.75,23.25 ; v1(15.5,16) 17.25,14.25 17.25,11.75 18.25,10.75 v1(18.25,9.25) ; 16.947,31.007 17.782,30.173 17.782,29.923 18.447,29.259 18.881,29.259 M1.2 ; 4.731,16.019 4.731,15.519 v1(4.75,15.5) 5.25,15.5 ; 4.731,16.019 5.25,15.5 ; 5.25,15.5 6.875,15.5
  Bottom Layer w1: v1@4,27.723 3.5,27.223 v1(3.5,23.25) 4.75,23.25 ; v1(5.25,19.5) 5.75,20 5.75,21.5 5.25,22 ; P1.2@6.356,1.566 6.25,1.672 6.25,5.937 8.25,7.937 v1(8.25,10.25) ; 7.5,23.25 5.5,23.25 ; 12.644,28.866 12.644,29.354 13.712,30.422 13.712,30.712 3.3V.1 ; 3.3V.1@13.788,30.788 13.978,30.788 14.197,31.007 16.947,31.007 ; 4.75,23.25 5.5,23.25 ; 4.75,23.25 v1(4.75,22.5) 5.25,22 ; 5.25,22 5.25,23 5.5,23.25
  Bottom Layer w1.5: 9.25,23 8.612,23.638 v1(8.612,25.25) 9.028,25.25 12.644,28.866
  Bottom Layer w2: v1(8.25,10.25) v1(8.25,11.275) 8.25,15.25 10.5,17.5 ; 9.25,23 10.5,21.75 10.5,17.5 ; 9.985,16 12,16 ; v1(15.5,16) 12,16 ; 10.5,17.5 12,16
VBUS: J1.9 VBUS.1 | length 12.8
  Top Layer w0.3: v1@11.807,31.057 v1(11.75,31) ; v1(11.75,31) 11.3,31 11,30.7 J1.9 11.469,30.05 11.669,30.25 v1(11.75,30.25) v1(11.75,31)
  Bottom Layer w0.5: VBUS.1 6,24.5 v1(11.75,30.25) v1(11.75,31)
pads on no net: J1.0 J2.0 M1.14 M1.32 P2.1 P2.2 P3.1 P3.2 P4.1 P4.2 P4.3 P4.4 P4.5 P4.6 P4.7 P4.8 P4.9 P4.10 P4.11 P4.12 P4.13 P4.14 P5.1 P5.2 P5.3 P5.4 P5.5 P5.6 P5.7 P5.8 P5.9 P5.10 P5.11 P5.12 P5.13 P5.14

## Polygon pours and split planes (outlines as drawn)
GND on Int2 (GND) "GND_L03_P008" (solid, remove dead copper, pour order 8): 0,1.27 ccw(c1.27,1.27) 1.27,0 18.73,0 ccw(c18.73,1.27) 20,1.27 20,32.2 0,32.2
GND on Int1 (GND) "GND_L02_P007" (solid, remove dead copper, pour order 7): 0,1.27 ccw(c1.27,1.27) 1.27,0 18.73,0 ccw(c18.73,1.27) 20,1.27 20,32.2 0,32.2
GND on Bottom Layer "GND_L04_P001" (solid, remove dead copper, pour order 1): 0,1.27 ccw(c1.27,1.27) 1.27,0 18.73,0 ccw(c18.73,1.27) 20,1.27 20,32.2 0,32.2
GND on Top Layer "GND_L01_P000" (solid, remove dead copper, pour order 0): 0,1.27 ccw(c1.27,1.27) 1.27,0 18.73,0 ccw(c18.73,1.27) 20,1.27 20,32.2 0,32.2

## Silkscreen, mask and mechanical layers (free items; w line width, h text height)
Top Overlay:
  lines w0.1: 1.074,31.719 18.744,31.719
Bottom Overlay:
  text "TX" at 4,26.25 h1.5
  text "RX" at 4,25 h1.5
  text ".NomDeLetudiant" at 14.75,17.532 h1.5
  text ".NomDeProjet" at 17.601,16.116 h1.5
  text ".Print_Date" at 13.101,14.863 h1.2
  text ".Revision" at 17.1,14.865 h1.5
  text "3.3V" at 5.867,3 h1.5 r270
  text "GND" at 8.367,3 h1.5 r270
  text "IO2" at 10.788,2.884 h1.5 r270
  text "IO18" at 13.538,2.884 h1.5 r270
  text "IO13" at 16.105,2.881 h1.2 r270
  text "IO17" at 1.97,2.3 h1 r90
Board:
  the board outline again, w0.5
Top Component Center:
  circle w0.254: c16,28.25 r2.5
  circle w0.254: c4,8.25 r2.5
  lines w0.102: 7.5,6.25 12.5,6.25 12.5,10.25 7.5,10.25 7.5,6.25 ; 7.5,26.25 7.5,30.25 12.5,30.25 12.5,26.25 7.5,26.25
  lines w0.125: 0,1.27 ccw(c1.27,1.27) 1.27,0 18.73,0 ccw(c18.73,1.27) 20,1.27 20,34.314 ccw(c15.314,34.314) 15.314,39 4.686,39 ccw(c4.686,34.314) 0,34.314 0,1.27
Bottom Component Center:
  lines w0: -55.25,24 -55.25,-10 74.75,-10 74.75,24 60.75,38 ; 20.75,41 23.75,38
  lines w0.125: 1.5,-9.5 16.75,-9.5 16.75,11.5 13.5,11.5 13.5,5.25 1.5,5.25 1.5,-9.5 ; 6.5,11.75 6.5,25.25 20,25.25 20,11.75 6.5,11.75
  lines w0.254: 60.75,38 23.75,38 20.75,41 -1.25,41.001 -4.25,38 -41.25,38 -55.25,24 -55.25,-10 ; 74.75,24 74.75,-10 ; -55.25,-10 74.75,-10 ; -55.25,-10 74.75,-10
Drill Drawing:
  drawing of 301 lines, arcs and shapes, not listed
  text "Layer" at 49.724,68.281 h1.5
  text "Name" at 56,68.281 h1.5
  text "Thickness" at 72.009,68.281 h1.5
  text "Gerber" at 80.966,68.281 h1.5
  text "Board Layer Stack" at 88.088,68.281 h1.5
  text "Top Overlay" at 56,65.281 h1.5
  text "GTO" at 80.966,65.281 h1.5
  text "Top Solder" at 56,62.281 h1.5
  text "0,025mm" at 72.009,62.281 h1.5
  text "GTS" at 80.966,62.281 h1.5
  text "Top Surface Finish" at 56,59.281 h1.5
  text "0,020mm" at 72.009,59.281 h1.5
  text "1" at 49.724,56.282 h1.5
  text "Top Layer" at 56,56.282 h1.5
  text "0,035mm" at 72.009,56.282 h1.5
  text "GTL" at 80.966,56.282 h1.5
  text "Dielectric 1" at 56,53.282 h1.5
  text "0,130mm" at 72.009,53.282 h1.5
  text "Dielectric 2" at 56,50.282 h1.5
  text "0,130mm" at 72.009,50.282 h1.5
  text "2" at 49.723,47.282 h1.5
  text "Int1 (GND)" at 56,47.282 h1.5
  text "0,035mm" at 72.009,47.282 h1.5
  text "G1" at 80.966,47.282 h1.5
  text "Dielectric 3" at 56,44.282 h1.5
  text "0,711mm" at 72.009,44.282 h1.5
  text "3" at 49.724,41.282 h1.5
  text "Int2 (GND)" at 56,41.282 h1.5
  text "0,035mm" at 72.009,41.282 h1.5
  text "G2" at 80.966,41.282 h1.5
  text "Dielectric 4" at 56,38.282 h1.5
  text "0,130mm" at 72.009,38.282 h1.5
  text "Dielectric 5" at 56,35.282 h1.5
  text "0,130mm" at 72.009,35.282 h1.5
  text "4" at 49.724,32.282 h1.5
  text "Bottom Layer" at 56,32.282 h1.5
  text "0,035mm" at 72.009,32.282 h1.5
  text "GBL" at 80.966,32.282 h1.5
  text "Bottom Surface Finish" at 56,29.282 h1.5
  text "0,020mm" at 72.009,29.282 h1.5
  text "Bottom Solder" at 56,26.282 h1.5
  text "0,025mm" at 72.009,26.282 h1.5
  text "GBS" at 80.966,26.282 h1.5
  text "Bottom Overlay" at 56,23.282 h1.5
  text "GBO" at 80.966,23.282 h1.5
  text "Total board thickness:" at 49.724,20.282 h1.5
  text "1,460mm" at 72.009,20.282 h1.5
  text "Symbol" at 49.044,13.015 h1.8
  text "Count" at 56.095,13.015 h1.8
  text "Hole Size" at 63.311,13.015 h1.8
  text "Plated" at 77,13.015 h1.8
  text "Hole Type" at 83.189,13.015 h1.8
  text "Drill Layer Pair" at 92.201,13.015 h1.8
  text "Via/Pad" at 109.262,13.015 h1.8
  text "Pad Shape" at 116.646,13.015 h1.8
  text "Hole Length" at 126.293,13.015 h1.8
  text "80" at 56.095,9.912 h1.5
  text "0.300mm (11.81mil)" at 63.311,9.912 h1.5
  text "PTH" at 77,9.912 h1.5
  text "Round" at 83.189,9.912 h1.5
  text "Top Layer - Bottom Layer" at 92.201,9.912 h1.5
  text "Via" at 109.262,9.912 h1.5
  text "Rounded" at 116.646,9.912 h1.5
  text "-" at 126.293,9.912 h1.5
  text "3" at 56.095,6.809 h1.5
  text "0.600mm (23.62mil)" at 63.311,6.809 h1.5
  text "PTH" at 77,6.809 h1.5
  text "Round" at 83.189,6.809 h1.5
  text "Top Layer - Bottom Layer" at 92.201,6.809 h1.5
  text "Pad" at 109.262,6.809 h1.5
  text "Rounded" at 116.646,6.809 h1.5
  text "-" at 126.293,6.809 h1.5
  text "42" at 56.095,3.706 h1.5
  text "0.700mm (27.56mil)" at 63.311,3.706 h1.5
  text "PTH" at 77,3.706 h1.5
  text "Round" at 83.189,3.706 h1.5
  text "Top Layer - Bottom Layer" at 92.201,3.706 h1.5
  text "Pad" at 109.262,3.706 h1.5
  text "(Mixed)" at 116.646,3.706 h1.5
  text "-" at 126.293,3.706 h1.5
  text "6" at 56.095,0.603 h1.5
  text "1.000mm (39.37mil)" at 63.311,0.603 h1.5
  text "PTH" at 77,0.603 h1.5
  text "Round" at 83.189,0.603 h1.5
  text "Top Layer - Bottom Layer" at 92.201,0.603 h1.5
  text "Pad" at 109.262,0.603 h1.5
  text "(Mixed)" at 116.646,0.603 h1.5
  text "-" at 126.293,0.603 h1.5
  text "2" at 56.095,-2.5 h1.5
  text "1.800mm (70.87mil)" at 63.311,-2.5 h1.5
  text "PTH" at 77,-2.5 h1.5
  text "Round" at 83.189,-2.5 h1.5
  text "Top Layer - Bottom Layer" at 92.201,-2.5 h1.5
  text "Pad" at 109.262,-2.5 h1.5
  text "Rounded" at 116.646,-2.5 h1.5
  text "-" at 126.293,-2.5 h1.5
  text "133 Total" at 56.095,-5.603 h1.5

## Dimensions
16,28.25 to 20,31.73 on Drill Drawing
0,35.586 to 20,31.73 on Drill Drawing
4,8.25 to 1.27,33 on Drill Drawing
18.73,33 to 16,28.25 on Drill Drawing
0,31.294 to 4,8.25 on Drill Drawing
1.27,0 to 1.27,33 on Drill Drawing

## Text inside footprints (layer, text, board x,y; h text height)
M1: Bottom Overlay "1" at 17.5,30.25 h1.2; Bottom Overlay "14" at 17.75,13.75 h1.2; Bottom Overlay "23" at 6.251,13.763 h1.2; Bottom Overlay "25" at 3.501,13.763 h1.2; Bottom Overlay "38" at 3.5,30.013 h1.2; Bottom Overlay "16" at 15,13.763 h1.2